# Altium PCB PCB2.PcbDoc (part 1 of 3)
Units mil, origin at the board's own origin, x right, y up, seen from the top; angles counter-clockwise.
Board outline 15748.03 x 10775.59 mil, 4 copper layers (Top Layer, Y1, S2, Bottom Layer), stack 33.217 mil thick; 703 components, 696 nets, 1756 pads, 488 vias.
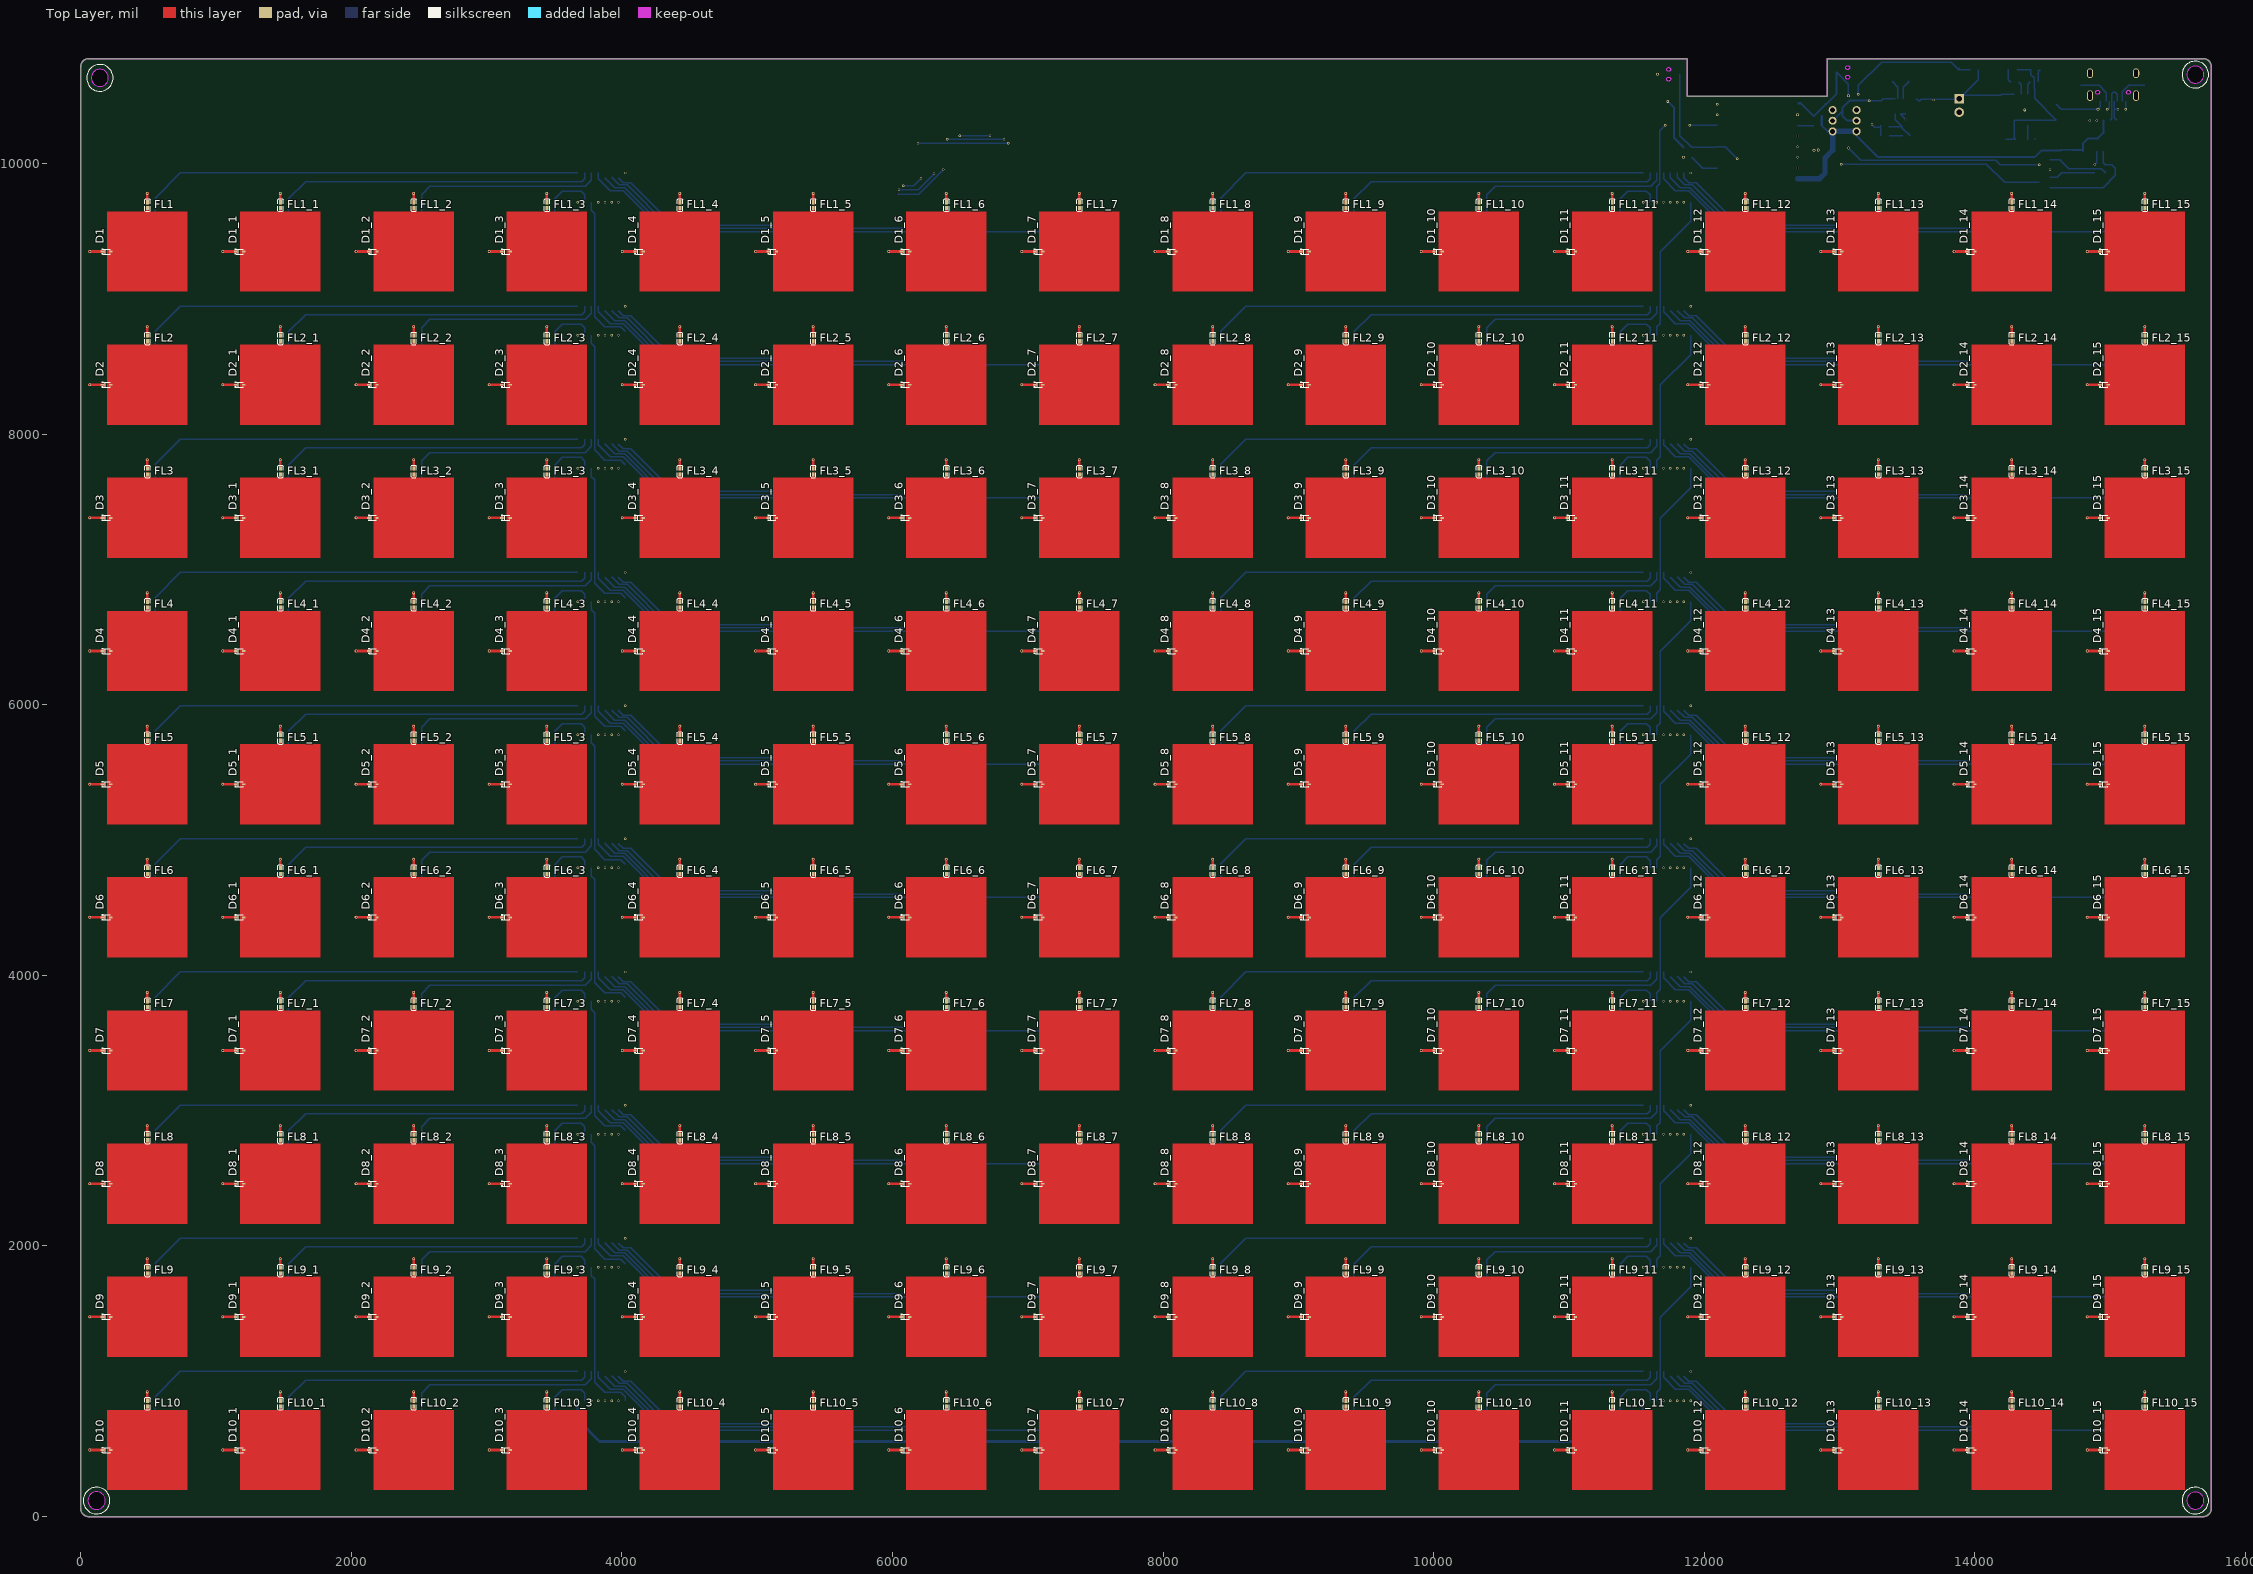
[diagram p0: Top Layer view]
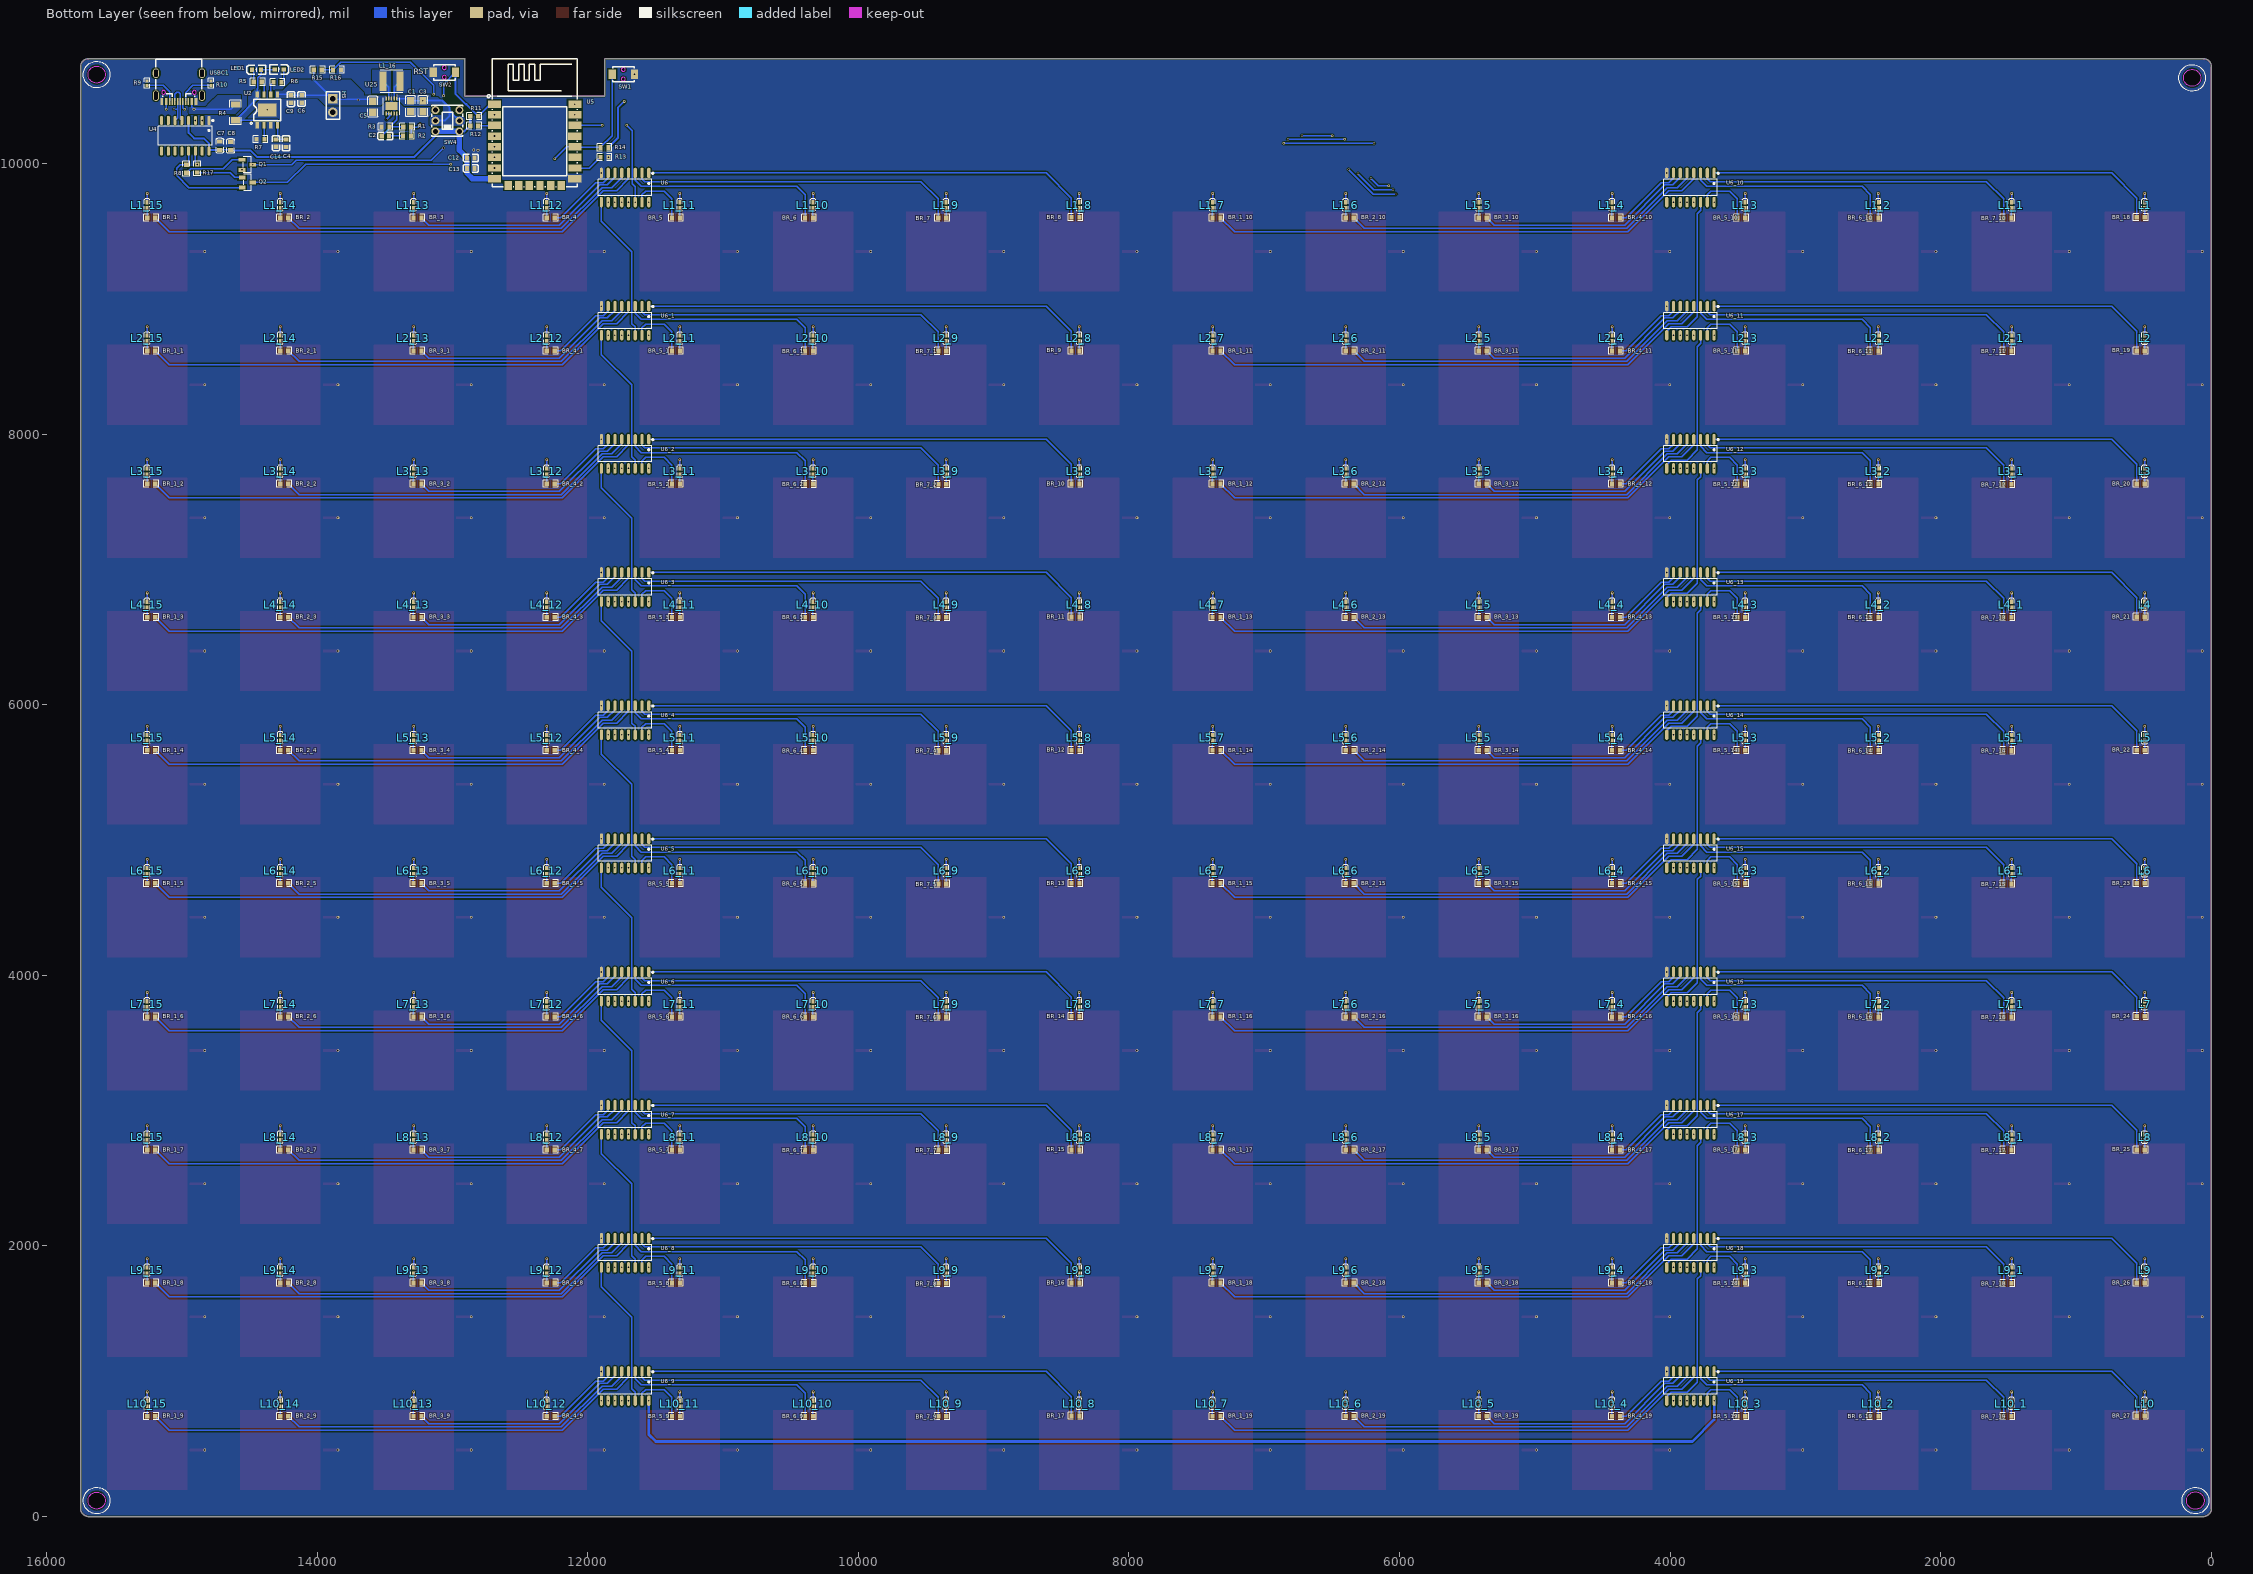
[diagram p1: Bottom Layer view, seen from below]
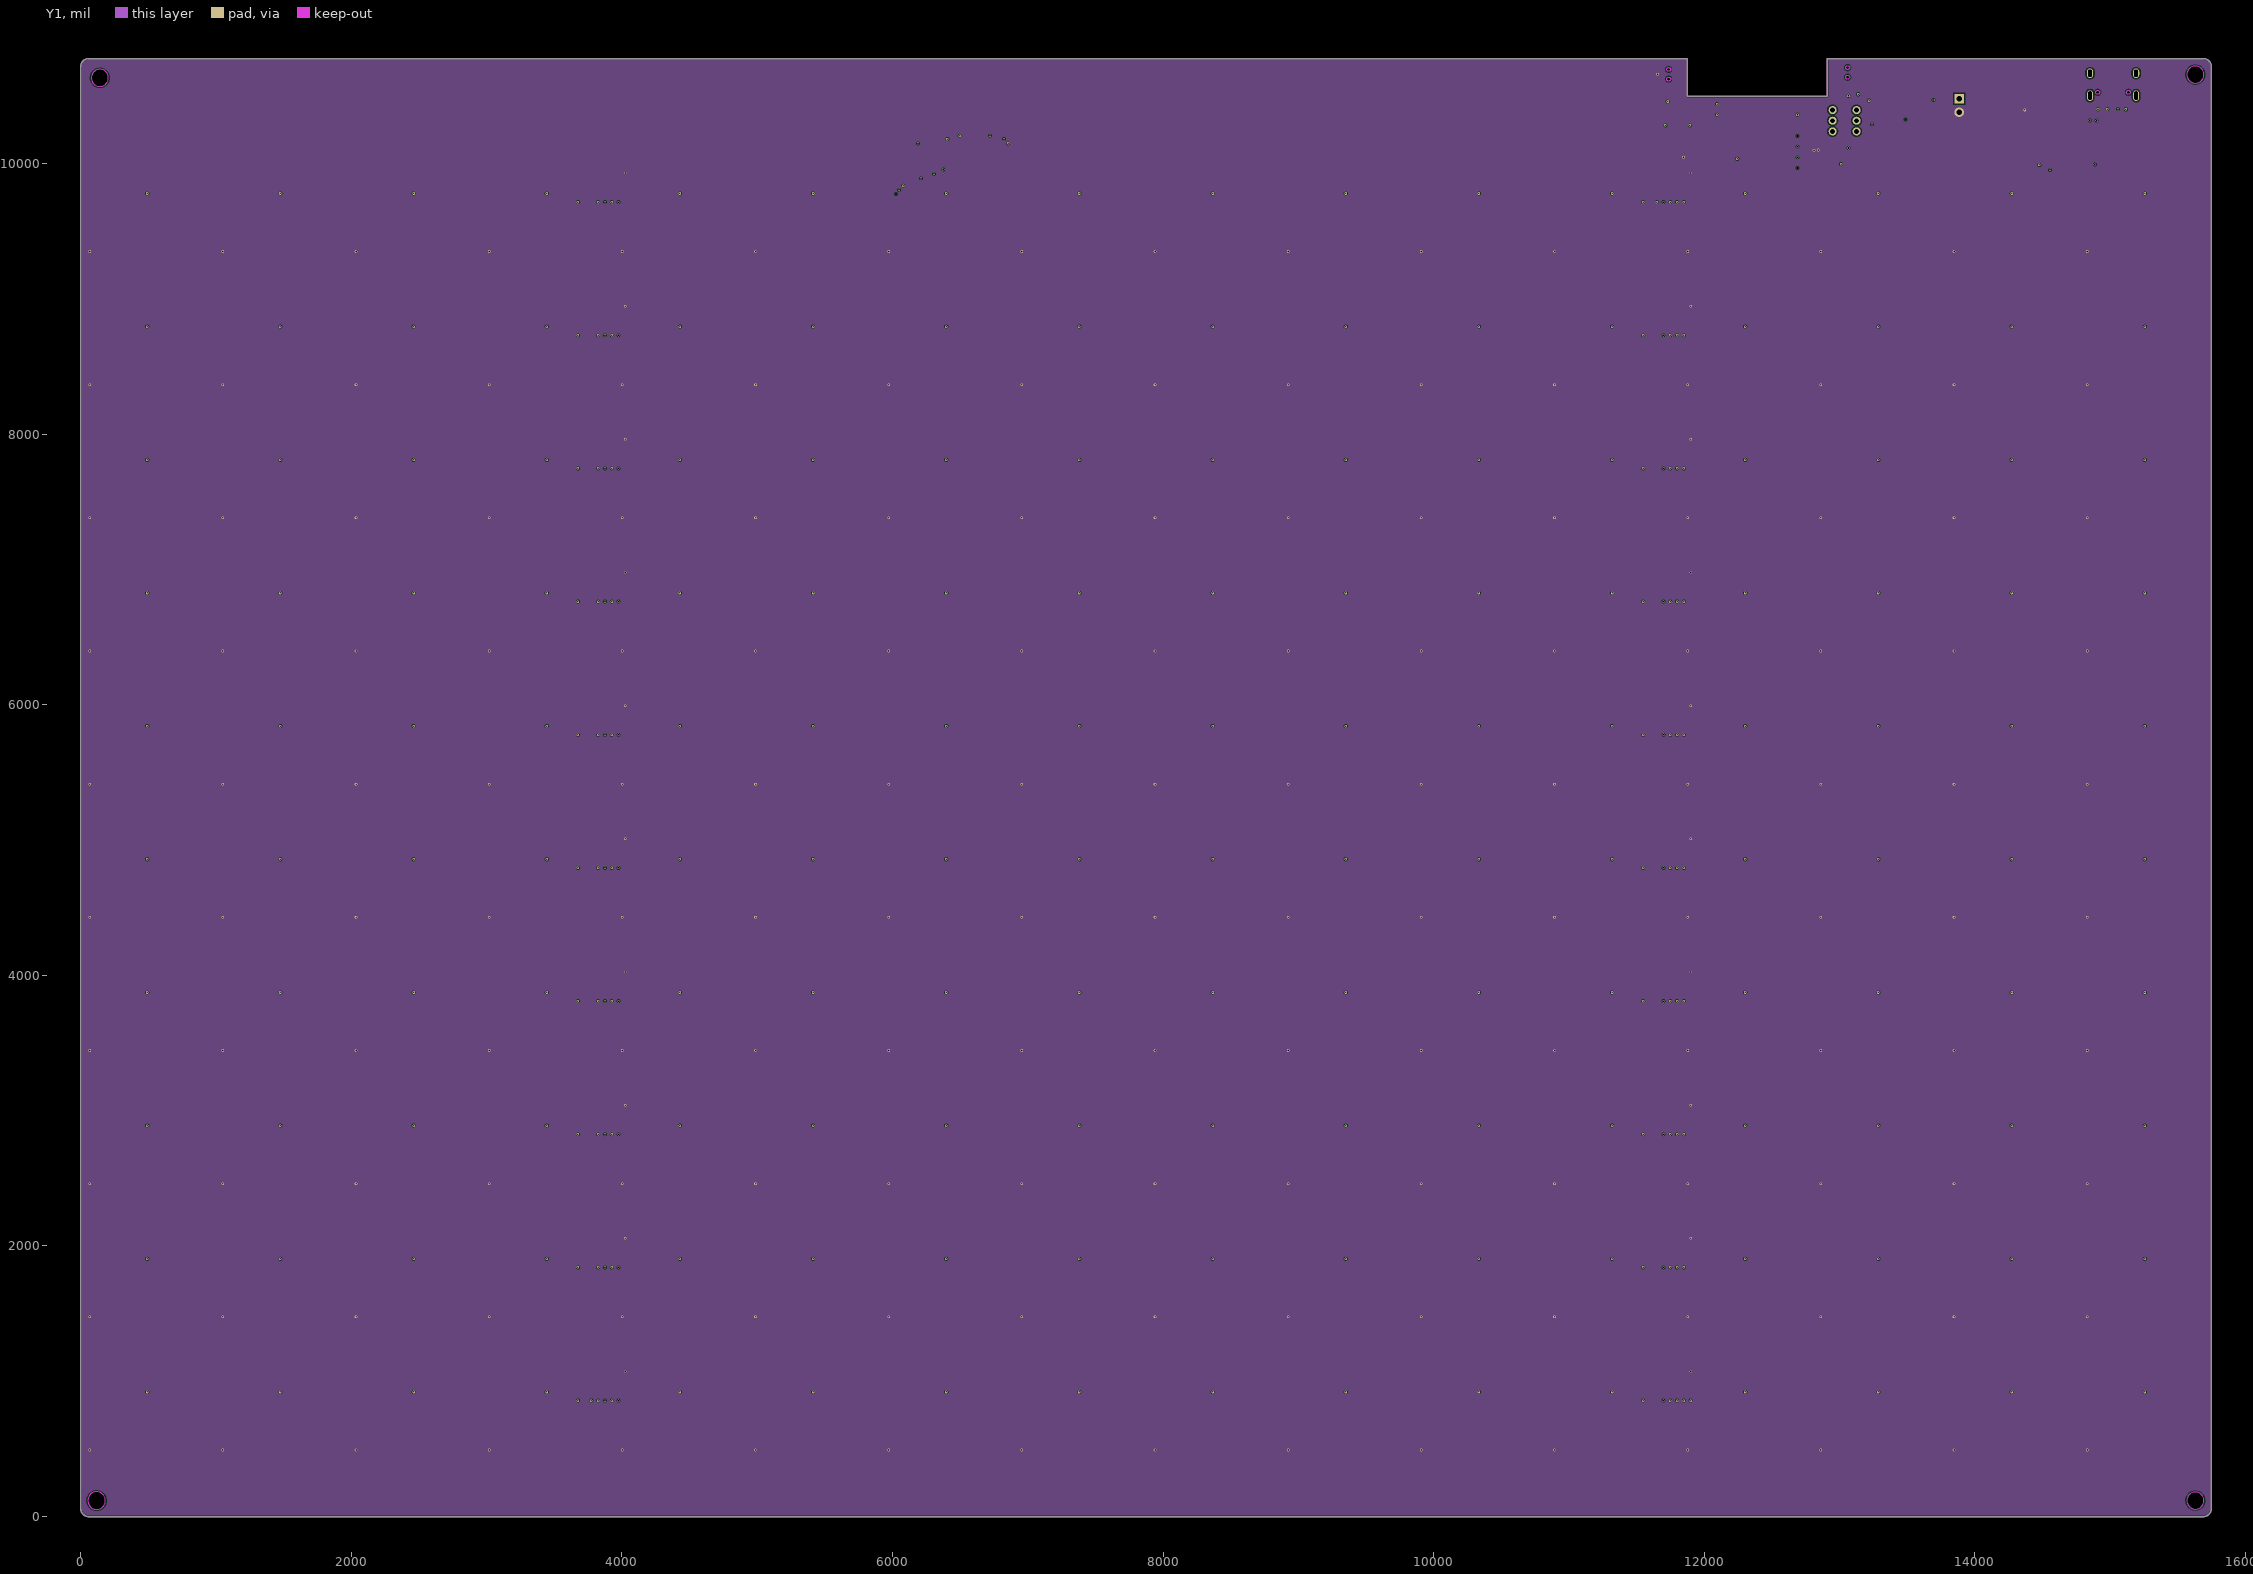
[diagram p2: Y1]